# Altium PCB Dali.PcbDoc
Units mil, origin at the board's own origin, x right, y up, seen from the top; angles counter-clockwise.
Board outline 3104 x 1300 mil, 2 copper layers (Top Layer, Bottom Layer); 78 components, 75 nets, 288 pads, 90 vias.
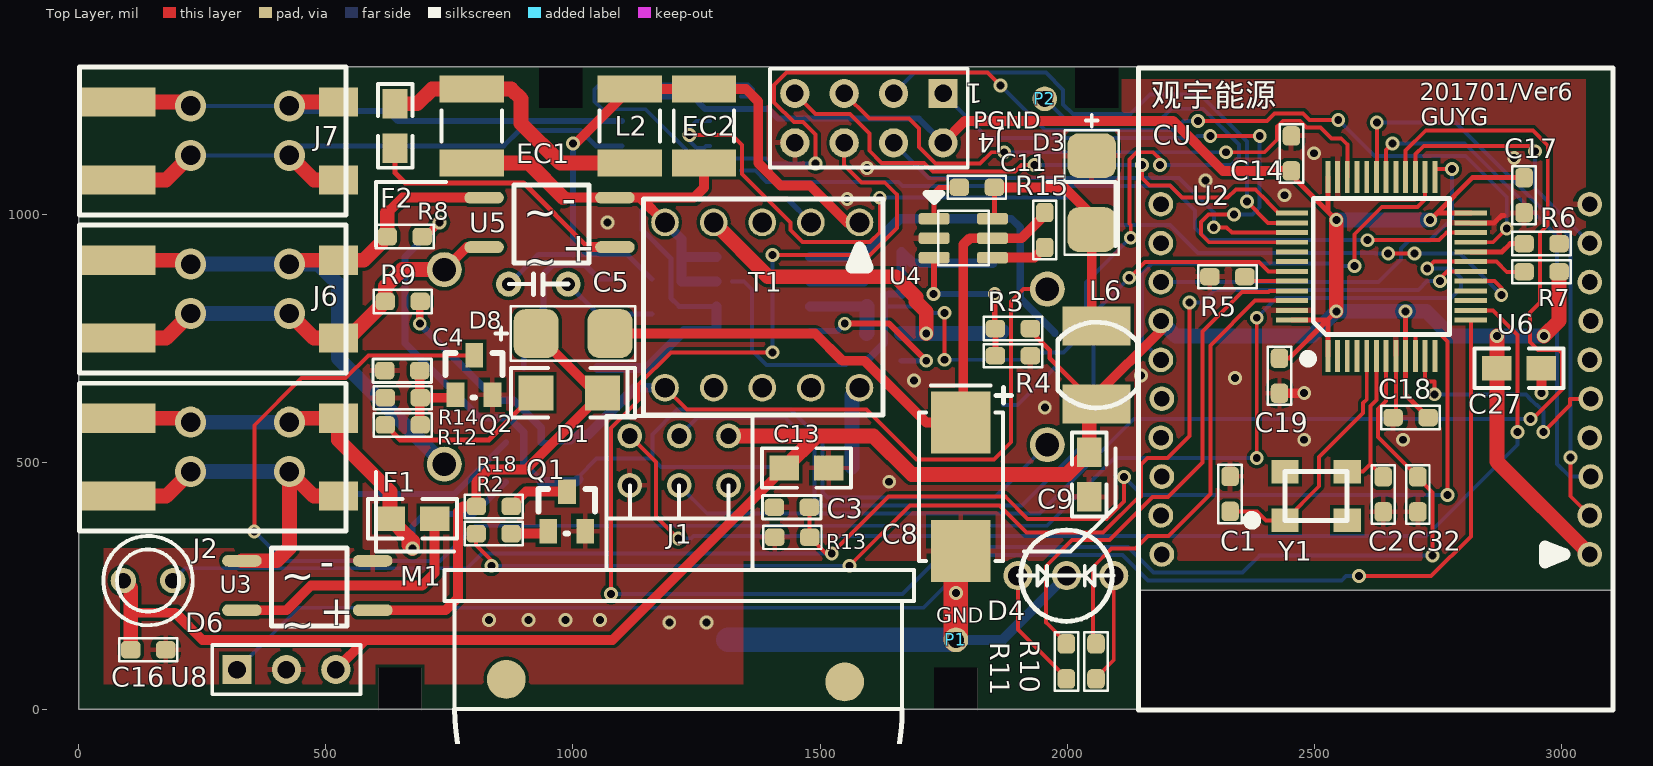
[diagram p0: Top Layer view]
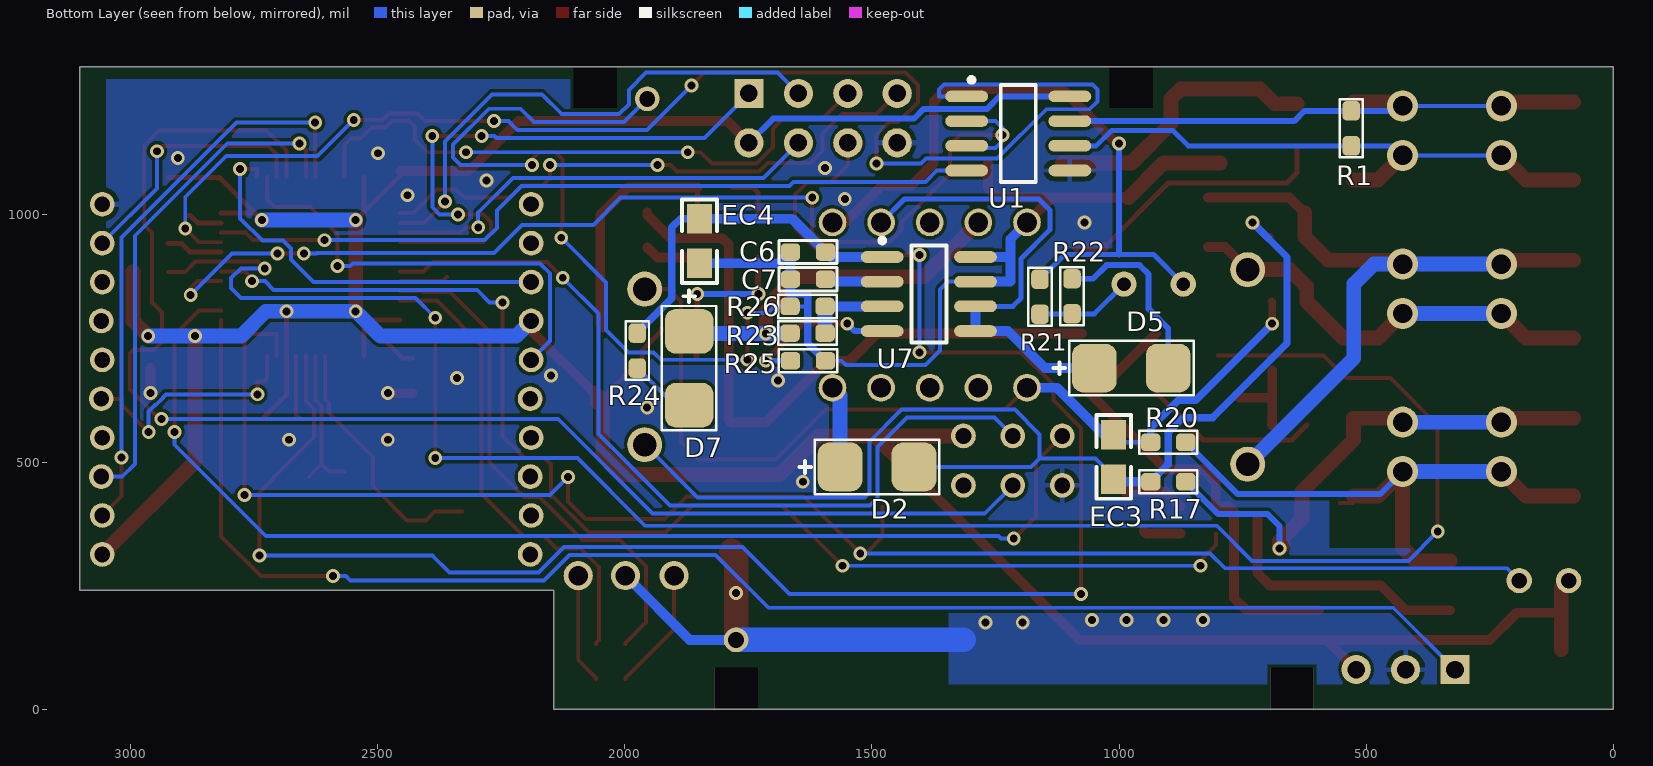
[diagram p1: Bottom Layer view, seen from below]

## Layer stack, top to bottom
Top Solder: solder mask 0.4, Solder Resist, Dk 3.5
Top Layer: signal copper 1.4
Dielectric 1: dielectric 12.6, FR-4, Dk 4.8
Bottom Layer: signal copper 1.4
Bottom Solder: solder mask 0.4, Solder Resist, Dk 3.5

## Board outline
0,0 0,1300 3104,1300 3104,240 2144,240 2144,0

## Design rules (kind name [scope] priority, off if disabled: settings)
BoardOutlineClearance [All] p1: gap=10 except(0: Arc-SplitContinuation Track-SplitContinuation SMDPad-OutlineEdge SMDPad-CutoutEdge SMDPad-CavityEdge SMDPad-SplitContinuation THPad-SplitContinuation Via-SplitContinuation Fill-SplitContinuation Poly-SplitContinuation Region-SplitContinuation Text-SplitContinuation)
Clearance [All vs InComponent('m1')] p1 off: gap=25
Clearance Clearance_1 [OnLayer('Keep-Out Layer') vs InComponent('J2','J6','J7')] p2: gap=0
Clearance Clearance_3 [All] p3: gap=7
Clearance Clearance_2 [InPolygon] p4: gap=12
ComponentClearance ComponentClearance_2 [All] p1: gap=5 collisioncheckmode=3 verticalgap=5 showdistances=FALSE
ComponentClearance ComponentClearance_1 [(InComponent('U8') AND InComponent('J5'))] p2: gap=0 collisioncheckmode=3 verticalgap=0 showdistances=FALSE
ComponentClearance [All vs InComponent('M1')] p3: gap=0 collisioncheckmode=3 verticalgap=0 showdistances=FALSE
Height [All] p1: minheight=0 maxheight=1574.8 prefheight=500
HoleSize [All] p1: absolutevalues=TRUE maxlimit=196.85 minlimit=15.75 maxpercent=80.000 minpercent=20.000
PlaneClearance PlaneClearance_1 [InComponent('m1')] p1: clearance=40
PlaneClearance [All] p2: clearance=20
PolygonConnect PolygonConnect_2 [All vs InNet('L')] p1: connectstyle=Relief reliefconductorwidth=10 reliefentries=4 polygonreliefangle="90 Angle" airgapwidth=150
PolygonConnect PolygonConnect_1 [IsVia vs IsPoly] p2: connectstyle=Direct reliefconductorwidth=10 reliefentries=4 polygonreliefangle="90 Angle" airgapwidth=10
PolygonConnect [All] p3: connectstyle=Relief reliefconductorwidth=10 reliefentries=4 polygonreliefangle="90 Angle" airgapwidth=10
RoutingVias [All] p1: holewidth=16 width=28 viastyle="Through Hole" minholewidth=16 minwidth=28 maxholewidth=24 maxwidth=50
SilkToBoardRegionClearance [All] p1 off:
SilkToSilkClearance [All] p1: silktosilkclearance=0.39
SilkToSolderMaskClearance [IsPad] p1 off: minsilkscreentomaskgap=0.39 clearancetoexposedcopper=TRUE
SolderMaskExpansion [All] p1: expansion=4
Width [All] p1: maxlimit=200 minlimit=6 preferedwidth=8 minimp=50.000000 maximp=50.000000 favimp=50.000000
23 further rules are at their usual default settings.

## Components (designator, comment, footprint, x,y, rotation, side; value= is the part's Value field where it differs from the comment)
C1 "22pF" 0603 2330,470.87 r270 top
C2 "22pF" 0603 2640,399.13 r90 top
C3 "10nF" 0603 1407.69,408.58 r0 top
C4 "10nF" 0603 690,685 r180 top
C5 "1nF/1kv" cb1 870,860 r0 top
C6 "0.1uF/35v" 0603 1594.13,925 r0 bottom
C7 "0.1uF/35v" 0603 1594.13,870 r0 bottom
C8 "100uF/25v" CAP-7343 1785,450 r270 top
C9 "22uF/10V" 0805 2045,520 r270 top
C11 "0.1uF" 0603 1852.87,1056 r180 top
C13 "22uF/10v" 0805 1428,487.88 r0 top
C14 "0.1uF" 0603 2454.13,1089.13 r90 top
C16 "0.1uF" 0603 105,120 r0 top
C17 "0.1uF" 0603 2925,1075.43 r270 top
C18 "0.1uF" 0603 2730.87,590 r180 top
C19 "0.1uF" 0603 2430,710 r270 top
C27 "22uF/10v" 0805 2870,690 r0 top
C32 "0.1uF" 0603 2710,399.13 r90 top
D1 "ZMM5V1" DIODE_1206 925,640 r0 top
D2 "SS24" DO-214AC 1564.61,490 r180 bottom
D3 "SS24" DO-214AC 2050,1120 r270 top
D4 "Red_Green_LED" LED_RG_3mm 1999,270 r0 top
D5 "1N4007" DO-214AC 1050,690 r180 bottom
D6 "HL304HP" LED_A2 140,260 r180 top locked
D7 "RS1M" DO-214AC 1870,764.61 r270 bottom
D8 "SS24" DO-214AC 925.39,760 r0 top
EC1 "1uF/400v" indc4532 795,1180 r270 top
EC2 "1uF/400v" indc4532 1265,1180.2 r270 top
EC3 "100uF 25v" 0805 1011,465 r90 bottom
EC4 "10uF/35V" 0805 1849.11,992.37 r270 bottom
F1 "MSMD0805-050" 0805 630,385 r0 top
F2 "MSMD0805-050" 0805 640,1135 r90 top
J1 "Header 3X2" HC-SR501-V1 1115,452.76 r0 top locked
J2 "WAGO" KF141R-2 230,620 r270 top locked
J4 "HEADER 4X2" HDR2X4 1749,1246 r180 top locked
J6 "WAGO" KF141R-2 230,940 r270 top locked
J7 "WAGO" KF141R-2 230,1260 r270 top locked
L2 "100mH" INDC4532 1115,1180 r90 top
L6 "47uH" cd43 2060,617.52 r270 top
M1 "BPE5-WS15- HS" "BPE5-WS- HS" 739.53,495.67 r0 top locked
P1 "GND" TP 1775,140 r0 top
P2 "PGND" TP 1955,1235 r0 top
Q1 "SS8050" SOT-23 950,360 r0 top
Q2 "SS8050" SOT-23 762,636 r0 top
R1 "120" 0603r 530,1210.87 r270 bottom
R2 "2.4K" 0603r 804.13,355 r0 top
R3 "14K,1%" 0603r 1925.87,770 r180 top
R4 "4.7K,1%" 0603r 1925.87,715 r180 top
R5 "10K" 0603r 2360,875 r180 top
R6 "10K" 0603r 2996,942 r180 top
R7 "2.4K" 0603r 2996,885 r180 top
R8 "0" 0603R 624.13,956.28 r0 top
R9 "0" 0603r 620,825 r0 top
R10 "240" 0603r 2058.62,131.87 r270 top
R11 "240" 0603r 1998.62,131.87 r270 top
R12 "10K" 0603r 620,575 r0 top
R13 "7.5K 1%" 0603R 1479.43,347.58 r180 top
R14 "2.4K" 0603r 620,630 r0 top
R15 "100K" 0603r 1955,1005 r270 top
R17 "100" 0603r 935.87,460 r180 bottom
R18 "15" 0603r 804.13,410 r0 top
R20 "100" 0603r 935.87,540 r180 bottom
R21 "220k" 0603r 1160,799.13 r90 bottom
R22 "150" 0603r 1095,870.87 r270 bottom
R23 "20k" 0603r 1665.87,760.87 r180 bottom
R24 "6.8" 0603r 1975,690 r90 bottom
R25 "1.5" 0603r 1665,705 r180 bottom
R26 "2.4k" 0603r 1595,815 r0 bottom
T1 "EE13-5+5" EE13-5+2 1580,985 r270 top locked
U1 "MAX3485CSA" NSO8_N 1203.98,1165 r180 bottom
U2 "ZigbeeModule1" ZIGBEE_XIAMENSIXIN 3058,313 r180 top locked
U3 "MB4S" SO-04-1 330,300 r0 top
U4 "MP2359" TSOT23-6 1731,992.37 r270 top
U5 "MB4S" SO-04-1 820.24,1035 r0 top
U6 "STM32F103C8" LQFP48S 2528.13,714.06 r90 top locked
U7 "PN8355" SOIC8_N 1385,840 r180 bottom
U8 "VS1838" HDR1X3 320,80 r0 top locked
Y1 "25M" 3225 2441.02,382 r0 top

## Footprints (in the part's own frame and the unit in brackets; to place one, negate y for a bottom-side part, rotate by r counter-clockwise, add the part's x,y. Pads: shape width x height; smd on the part's side, far side on the other; paste and mask are expansions set on the pad)
0603 [mm]
  rrect50% 1x0.9 smd: 1(0,0) 2(1.8,0)
  silkscreen extent -0.6,-0.6 2.4,0.6
0603r [mm]
  rrect50% 1x0.9 smd: 1(0,0) 2(1.8,0)
  silkscreen extent -0.6,-0.6 2.4,0.6
0603R [mm]
  rrect50% 1x0.9 smd: 1(0,0) 2(1.8,0)
  silkscreen extent -0.6,-0.6 2.4,0.6
0805 [mil]
  rect 60x50 smd: 1(0,0) 2(90,0)
  silkscreen extent -39,-35 130,35
3225 [mm] "Crystal"
  rect 1.4x1.2 smd: 1(0,0) 2(3.2,0) 3(3.2,2.5) 4(0,2.5)
  silkscreen extent -1.92,-0.22 3.2,2.5
"BPE5-WS- HS" [mm] "归上海博湃电子科技有限公司,BPE AC-DC模块"
  round 1.8 hole 1.2: 1(0,0) 2(0,10) 3(31,9) 4(31,1)
  silkscreen extent -3.5,-4.5 34.5,14.5
CAP-7343 [mm] "钽电容"
  rect 3.2x3.05 smd: 1(-3.302,0) 2(3.302,0)
  silkscreen extent -5.21,-2.16 3.81,2.6, body extent -3.68,-1.91 3.68,1.91, height 2.95
cb1 [mm]
  round 1.3 hole 0.7: 1(0,0) 2(3.048,0)
  silkscreen extent 0,-0.55 3.05,0.52
cd43 [mm] "L-SMA"
  rect 2x3.5 smd: 1(0,0) 2(-4,0)
  silkscreen extent -4.2,-2 0.2,2.1
DIODE_1206 [mm]
  rect 1.8x1.8 smd: 1(0,0) 2(3.429,0)
  silkscreen extent -1.27,-1.27 5.1,1.27
DO-214AC [mm] "DIODE"
  rrect50% 2.3x2.5 smd: 1(0,0) 2(3.8,0)
  silkscreen extent -2.1,-1.4 5.1,1.4
EE13-5+2 [mil] "EE13 transformer"
  round 56 hole 40: 1(0,0) 2(0,-98.43) 3(0,-196.85) 4(0,-295.28) 5(0,-393.7) 6(334.65,-393.7) 7(334.65,-295.28) 8(334.65,-196.85) 9(334.65,-98.43) 10(334.65,0)
  silkscreen extent -47,-437 390,47
HC-SR501-V1 [mil] "PIR module"
  round 50 hole 32: 1(0,0) 2(0,100) 3(100,0) 4(100,100) 5(200,0) 6(200,100)
  silkscreen extent -375,-906 575,140
HDR1X3 [mm] "Connector; Header; 3 Position"
  rect 1.5x1.5 hole 0.9: 1(0,0)
  round 1.5 hole 0.9: 2(2.54,0) 3(5.08,0)
  silkscreen extent -1.27,-1.27 6.35,1.27
HDR2X4 [mm] "Connector; Header; 4x2 Position"
  rect 1.5x1.5 hole 0.9: 1(0,0)
  round 1.5 hole 0.9: 2(0,2.54) 3(2.54,0) 4(2.54,2.54) 5(5.08,0) 6(5.08,2.54) 7(7.62,0) 8(7.62,2.54)
  silkscreen extent -1.27,-1.27 8.89,3.81
indc4532 [mm] "Chip Inductor, Body 4.5x3.2mm, IPC High Density"
  rect 1.4x3.3 smd: 1(-1.9,0) 2(1.9,0)
  silkscreen extent -0.8,-1.55 0.8,1.55, body extent -2.4,-1.7 2.4,1.7, height 0.55
INDC4532 [mm] "Chip Inductor, Body 4.5x3.2mm, IPC High Density"
  rect 1.4x3.3 smd: 1(-1.9,0) 2(1.9,0)
  silkscreen extent -0.8,-1.55 0.8,1.55, body extent -2.4,-1.7 2.4,1.7, height 0.55
KF141R-2 [mm] "免螺丝弹簧式接线端子间距2.54mm, 兼容Wago表面贴弹簧端子"
  rect 1.5x3.8 smd: 1(0.8,-3.8) 3(4.8,-3.8)
  round 1.6 hole 1: 1(1,-0.1) 2(1,4.98) 3(3.54,-0.1) 4(3.54,4.98)
  rect 1.5x2 smd: 2(0.8,7.5) 4(4.8,7.5)
  silkscreen extent -1,-5.8 6.6,7.9
LED_A2 [mm] "直径3MM二极管"
  round 1.3 hole 0.8: 1(1.27,0) 2(-1.27,0)
  silkscreen extent -2.3,-2.3 2.3,2.3
LED_RG_3mm [mm]
  round 1.5 hole 1: 1(0,0) 2(2.427,-0.002) 3(-2.5,0)
  silkscreen extent -2.49,-2.35 2.43,2.35
LQFP48S [mil]
  rect 65x10 smd: 1(0.42,0.29) 2(0.42,-19.39) 3(0.42,-39.08) 4(0.42,-58.76) 5(0.42,-78.45) 6(0.42,-98.13) 7(0.42,-117.82) 8(0.42,-137.5) 9(0.42,-157.19) 10(0.42,-176.87) 11(0.42,-196.56) 12(0.42,-216.24) 25(362.63,-216.24) 26(362.63,-196.56) 27(362.63,-176.87) 28(362.63,-157.19) 29(362.63,-137.5) 30(362.63,-117.82) 31(362.63,-98.13) 32(362.63,-78.45) 33(362.63,-58.76) 34(362.63,-39.08) 35(362.63,-19.39) 36(362.63,0.29)
  rect 10x65 smd: 13(73.26,-289.08) 14(92.94,-289.08) 15(112.63,-289.08) 16(132.31,-289.08) 17(152,-289.08) 18(171.68,-289.08) 19(191.37,-289.08) 20(211.05,-289.08) 21(230.74,-289.08) 22(250.42,-289.08) 23(270.11,-289.08) 24(289.79,-289.08) 37(289.79,73.13) 38(270.11,73.13) 39(250.42,73.13) 40(230.74,73.13) 41(211.05,73.13) 42(191.37,73.13) 43(171.68,73.13) 44(152,73.13) 45(132.31,73.13) 46(112.63,73.13) 47(92.94,73.13) 48(73.26,73.13)
  silkscreen extent -10,-246 319,46
NSO8_N [mm] "SOIC-max660"
  oval 2.2x0.6 smd: 1(-2.654,1.905) 2(-2.654,0.635) 3(-2.654,-0.635) 4(-2.654,-1.905) 5(2.654,-1.905) 6(2.654,-0.635) 7(2.654,0.635) 8(2.654,1.905)
  silkscreen extent -2.53,-2.5 0.9,2.88, body extent -1.95,-2.45 1.95,2.45, height 1.75
SO-04-1 [mil]
  oval 80x24 smd: 1(0,0) 2(0,-100) 3(264.76,-100) 4(264.76,0)
  silkscreen extent 60,-132 213,26
SOIC8_N [mm] "8-Pin Small Outline Integrated Circuit Package (SOIC8), IPC Medium Density"
  oval 2.2x0.6 smd: 1(-2.4,1.905) 2(-2.4,0.635) 3(-2.4,-0.635) 4(-2.4,-1.905) 5(2.4,-1.905) 6(2.4,-0.635) 7(2.4,0.635) 8(2.4,1.905)
  silkscreen extent -2.53,-2.5 0.9,2.88, body extent -1.95,-2.45 1.95,2.45, height 1.75
SOT-23 [mil]
  rect 36x50 smd: 1(0,0) 2(75,0) 3(38,80)
  silkscreen extent -20,-5 95,85
TP [mil] "Test point"
  round 50 hole 32: 1(0,0)
TSOT23-6 [mm]
  rrect50% 0.6x1.6 smd: 1(0,0) 2(1,0) 3(2,0) 4(2,3) 5(1,3) 6(0,3)
  silkscreen extent -1.3,-0.4 2.4,2.8
ZIGBEE_XIAMENSIXIN [mm] "2*8pin SIP, 1*6pin SIP"
  round 1.27 hole 0.813: 1(0,0) 2(0,-2) 3(-0.05,-4) 4(0,-6) 5(-0.05,-8) 6(0,-10) 7(-0.05,-12) 8(0,-14) 9(0,-16) 10(0,-18) 11(22.05,-18) 12(22.05,-16) 13(22.05,-14) 14(22.05,-12) 15(22.05,-10) 16(22,-8) 17(22.05,-6) 18(22,-4) 19(22.05,-2) 20(22,0)
  silkscreen extent -1.2,-25 23.2,8

## Part data
C1 C2 C3 C4 C5 C6 C7 C11 C14 C16 C17 C18 C19 C32: library part Cap, "Capacitor"
C8 C9 C13 C27 EC1 EC2 EC3 EC4: library part ECAP
D1: library part "DIODE SCHOTTKY", "Schottky Diode"
D2 D3 D8: library part SchottkyDiode, "Schottky Diode"
D4: library part LED_RG
D5 D7: library part "Diode 1N4007", "1 Amp General Purpose Rectifier"
D6: library part LED0, "3MM光敏传感器"
F1 F2: library part FUSE
J1: "Header, 3-Pin, Dual row"
J2: library part "Header 2X2", "Header, 2-Pin, Dual row"
J6 J7: library part "Header 2X2", "2060-452/998-404"
L2: library part Inductor, "Inductor"
L6: library part L, "叠层电感"
M1: "220v AC - 15DC module"
P1 P2: library part CON1, "Connector"
Q1 Q2: library part NPN, "NPN Transistor"
R1 R2 R3 R4 R5 R6 R7 R8 R9 R10 R11 R12 R13 R14 R15 R17 R18 R20 R21 R22 R23 R24 R25 R26: library part Res2, "Resistor"
T1: library part EE10-TRANS
U1: library part SP3485, "485总线芯片"
U2: library part Zigbee_XiaMenSiXin, "Zigbee module - xiamen SiXin"
U4: "Power Convertor"
U6: library part STM32F103C6
U8: library part "Header 3", "Header, 3-Pin"
Y1: library part XTAL_4pin, "Crystal Oscillator"

## Free pads (board coordinates)
  rect 86.61x86.61 hole 86.61 square unplated: 3(650,40) 3(975,1260) 3(1775,40) 3(2060,1260)
  round 78.74 smd: 4(865,60) 6(1550,55)

## Via types
v1: diameter 28, hole 16, Top Layer to Bottom Layer, 90 vias

## Nets (pads, with @x,y where several pads share a name; then routed paths per layer and width w, separated by ;. In a path a pad name is that pad's centre, name@x,y a point inside that pad or via, vN(x,y) a via of type N, cw(c..) or ccw(c..) an arc to the next point about the centre after c; other vN are vias at no path point)
ASSOCIATE: U2.15 U6.26 | length 912.3
  Top Layer w8: v1(2582,897) 2582,961 2637,1016 2709,1016 2724.68,1031.68 U6.26
  Bottom Layer w8: U2.15 2152,744.59 2152,882 2172,902 2551,902 2556,897 v1(2582,897)
BOOT0: R5.1 U6.44 | length 98.7
  Top Layer w8: R5.1 2368.94,866.05 U6.44
BOOT1: R6.2 U6.20 | length 114.9
  Top Layer w10: U6.20 2880.11,925.11 2897,942 R6.2
D485_RX: U1.1 U6.21 | length 2867.7
  Top Layer w8: v1(1491,1104) 1491,1163 1466,1188 1447,1188 1407,1228 1407,1263 1432,1288 1839,1288 v1(1865,1262) ; v1(2265,1190) 2404.31,1190 2420,1205.69 2477.43,1205.69 2491.12,1192 v1(2549,1192) ; U6.21 2862,944.8 v1(2890,972.8)
  Bottom Layer w8: U1.1@1339.96,1240 1364,1240 1364,1254 1354,1264 1054,1264 1044,1254 1044,1230 1060,1214 1147,1214 1247,1114 1391,1114 1401,1104 v1(1491,1104) ; v1(1865,1262) 1955,1172 2218,1172 2236,1190 v1(2265,1190) ; v1(2549,1192) 2622,1119 2807,1119 2890,1036 v1(2890,972.8)
D485_TX: U1.4 U6.22 | length 1562.6
  Top Layer w8: v1(2608,949) 2753,949 2768.48,964.48 U6.22
  Bottom Layer w8: U1.4@1339.96,1090 1369,1090 1392,1067 1659,1067 1667,1059 2209,1059 2259,1009 2259,974 2284,949 v1(2608,949)
D485_TXEN: U1.2 U1.3 U6.17 | length 2139
  Top Layer w8: v1(1236,1162) 1322,1162 1342,1142 1342,1083 1440,985 1440,970 1465,945 1601,945 1621,965 v1(1621,1035) ; v1(2650,922) v1(2703,922) ; U6.17 2865,866.06 2879,852.06 v1(2879,838)
  Bottom Layer w8: U1.3@1276.97,1140 1269.16,1140 1265.16,1136 1250,1136 1236,1150 v1(1236,1162) 1236,1176 1250,1190 U1.2@1276.97,1190 ; v1(1621,1035) 2009,1035 2064,980 2208,980 2265,923 2623,923 2624,922 v1(2650,922) ; v1(2703,922) 2795,922 v1(2879,838)
DACOUT1: J1.2 U6.14 | length 2363.6
  Top Layer w8: J1.2 1168,499.76 1168,390 v1(1213,345) ; U6.14 2862,807 2912,757 v1(2912,561)
  Bottom Layer w8: v1(1213,345) 1239,345 1244,350 2727,350 2912,535 v1(2912,561)
DALI+: F1.1 J2.1 J2.2 R17.2 | length 1074.1
  Top Layer w30: J2.1@80.39,588.5 218.19,588.5 J2.1@226.06,580.63 ; J2.2@426.06,580.63 433.94,588.5 525.28,588.5 525.28,544.72 630,440 F1.1 668,347 ; 668,347 668,332 v1(675,325) 675,340 668,347
  Bottom Layer w12: v1(675,325) 675,370 700,395 800,395 R17.2
  Bottom Layer w30: J2.1@226.06,580.63 J2.2@426.06,580.63
DALI-: J2.3 J2.4 R20.2 U3.1 | length 1289.5
  Top Layer w8: J2.4@525.28,431.02 527,429.3 527,417 J2.4@553,417
  Top Layer w30: J2.3@80.39,431.02 176.46,431.02 J2.3@226.06,480.63 ; U3.1 400,300 426.06,326.06 426.06,480.63 475.67,431.02 J2.4@525.28,431.02
  Bottom Layer w12: J2.4@426.06,480.63 471.69,435 760,435 R20.2
  Bottom Layer w30: J2.3@226.06,480.63 J2.4@426.06,480.63
DALI_R: Q2.3 R7.2 U6.19 | length 3886.6
  Top Layer w8: v1(355,359.47) 355,574.37 450.63,670 540,670 586,716 Q2.3 ; v1(2384,508) v1(2384,792) ; v1(2729,892) 2742.43,905.43 U6.19 ; U6.19 2869.57,905.43 2890,885 R7.2
  Bottom Layer w8: v1(355,359.47) 414.47,300 731,300 802,371 1959,371 2096,508 v1(2384,508) ; v1(2384,792) 2424,832 2777,832 2797,852 2797,872 2777,892 v1(2729,892)
DALI_T: R2.1 U6.18 | length 2551.9
  Top Layer w8: R2.1 804.13,331.87 835,301 v1(835,290) ; v1(1560,290) 1682,412 1863,412 1918,357 2073.21,357 2146.21,430 2150,430 2150,495 2163,508 2203,508 2248,553 v1(2248,823) ; v1(2755,866) 2755,871.74 2769,885.74 U6.18
  Bottom Layer w8: v1(835,290) v1(1560,290) ; v1(2248,823) 2274,823 2299,848 2711,848 2729,866 v1(2755,866)
GND: C1.1 C2.1 C3.1 C4.2 C8.2 C9.2 C13.2 C14.2 C16.2 C17.2 C18.2 C19.2 C27.2 C32.1 D3.1 D4.1 J1.1 J4.8 P1.1 Q1.2 Q2.2 R4.1 R5.2 R6.1 R13.2 R14.1 U1.5 U2.10 U3.4 U4.2 U6.8 U6.23 U6.35 U6.47 U8.2 | length 1222.4
  Top Layer w8: C18.2 2665.63,595.63 U6.8
  Top Layer w10: U6.23 2864.6,984.17 2879.23,998.8 2884.4,998.8
  Top Layer w20: C19.2 2479.13,639.13 v1(2480,640) ; v1(2960,640) C27.2
  Top Layer w50: P1.1 v1(1775,235) 1775,310 C8.2
  Bottom Layer w20: P1.1 1869,140 D4.1
  Bottom Layer w50: 1315,140 P1.1
  other v1: 1195,175 1270,175 830,180 910,180 985,180 1055,180 1640,460 2480,545 2680,545 1955,610 1690,665 2340,670 2150,675 1070,985 1555,1032.24 2440,1040 2280,1070 1595,1095 2905,1115 2500,1125
IRDA_RX: U6.13 U8.1 | length 3089.9
  Top Layer w8: v1(2591,269) 2737,269 2817.2,349.2 U6.13
  Bottom Layer w8: U8.1 445,205 1709.64,205 1816.64,312 2112,312 2164,260 2556,260 2565,269 v1(2591,269)
JNTRST: J4.1 U6.40 | length 1171.1
  Top Layer w8: v1(2290,1160) v1(2390,1160) ; v1(2338,1001) 2286,1001 2271,986 2271,961 2287.2,944.8 U6.40
  Bottom Layer w8: J4.1 1839,1156 2260,1156 2264,1160 v1(2290,1160) ; v1(2338,1001) 2375,1001 2390,1016 v1(2390,1160)
JTCK: J4.7 U6.37 | length 1167.6
  Top Layer w8: J4.7 1491,1204 1561,1204 1600,1165 1600,1130 1624.53,1105.47 1711,1105.47 1728.47,1088 1895,1088 1908,1101 v1(1934,1101) ; v1(2152,1101) 2152,1075 2167,1060 2208,1060 2233,1035 2325,1035 2342,1052 2381,1052 2406,1027 2406,1025.85 2428,1003.85 U6.37
  Bottom Layer w8: v1(1934,1101) v1(2152,1101)
JTDI: J4.3 U6.38 | length 1070.8
  Top Layer w8: v1(2364,1027) 2406.83,984.17 U6.38
  Bottom Layer w8: J4.3 1691,1288 1957,1288 1992,1253 1992,1224 2012,1204 2128,1204 2168,1244 2269,1244 2364,1149 v1(2364,1027)
JTDO: J4.4 U6.39 | length 898.8
  Top Layer w8: v1(2297,975) 2323,975 2333.52,964.48 U6.39
  Bottom Layer w8: J4.4 1720,1075 2227,1075 2297,1005 v1(2297,975)
JTMS: J4.5 U6.34 | length 1236.3
  Top Layer w8: J4.5 1600,1195 1680,1195 1700,1175 1700,1137.69 1733.69,1104 1824,1104 1847,1127 v1(1873,1127) ; v1(2322,1127) 2400,1127 2425.42,1152.42 2425.42,1179.05 2437.05,1190.69 2471.22,1190.69 2484.9,1177 2513,1177 2535,1155 2555,1155 2567.2,1142.8 U6.34
  Bottom Layer w8: v1(1873,1127) v1(2322,1127)
L: J6.1 J6.2 M1.1 R8.1 U5.1 | length 1395.8
  Top Layer w20: 624.13,1004.13 655,1035 U5.1
  Top Layer w30: J6.1@80.39,908.5 218.19,908.5 J6.1@226.06,900.63 ; J6.2@426.06,900.63 433.94,908.5 576.35,908.5 R8.1 624.13,1004.13
  Bottom Layer w30: J6.1@226.06,900.63 484.37,900.63 525,860 525,710.2 M1.1
LED_G: R11.1 U6.45 | length 1058.5
  Top Layer w8: R11.1 1998.62,134 1957,175.62 1957,289 2010,342 2086,342 2173,429 2204,429 2274,499 2274,764 2354,844 2407.63,844 2410,846.37 U6.45
LED_R: R10.1 U6.46 | length 959.9
  Top Layer w8: R10.1 2058.62,134 2053,139.62 2053,288 2090,325 2139,325 2164,350 2205,350 2290,435 2290,736 2380.69,826.68 U6.46
LIGHT_AOUT: C3.2 D6.2 R13.1 U6.10 | length 3283.2
  Top Layer w8: C3.2 1478.56,348.86 v1@1512.42,315 ; v1(1523.71,315) 1638.71,430 1875,430 1920,385 2080,385 2115,420 v1(2115,470) ; U6.10 2705,759 2755,759 2770,744 v1(2770,433)
  Bottom Layer w8: D6.2 215,285 785.65,285 815.65,315 v1(1523.71,315) ; v1(2115,470) 2152,433 v1(2770,433)
N: J6.3 J6.4 M1.2 R9.1 U5.2 | length 874.7
  Top Layer w20: M1.2 785.16,935 U5.2
  Top Layer w30: J6.3@80.39,751.02 176.46,751.02 J6.3@226.06,800.63 ; J6.4@426.06,800.63 475.67,751.02 546.02,751.02 R9.1 620,855 654.37,889.37 M1.2
  Bottom Layer w30: J6.3@226.06,800.63 J6.4@426.06,800.63
NetC1_2: C1.2 U6.5 Y1.1 | length 519.5
  Top Layer w8: C1.2 2385,400 2403,382 Y1.1 2510,450.98 2510,510 2599.31,599.32 2599.31,619.51 2606.57,626.77 U6.5
NetC2_2: C2.2 U6.6 Y1.3 | length 313.7
  Top Layer w8: Y1.3 2599.06,480.43 2614.31,495.68 ; U6.6 2626.26,625.24 2614.31,613.3 2614.31,495.68 ; C2.2 2614.31,495.68
NetC4_1: C4.1 Q2.1 R12.2 R14.2 | length 184
  Top Layer w20: C4.1 690,575.87 R12.2 ; R14.2 756,630 Q2.1
NetC5_1: C5.1 EC2.1 L2.2 R21.2 T1.1 | length 1371.2
  Top Layer w20: v1(1000,1145) 1005.2,1145 L2.2 1264.8,1254.8 EC2.1 1350,1255 1375,1230 1375,1105 1420,1060 1480,1060 1555,985 T1.1
  Bottom Layer w10: C5.1 930,920 1000,920 1110,920 R21.2
  Bottom Layer w12: 1000,920 v1(1000,1145)
NetC5_2: C5.2 R21.1 R22.2 | length 195.2
  Bottom Layer w10: C5.2 1050,800 R22.2 1159.13,800 R21.1
NetC6_1: C6.1 EC4.1 R24.2 U7.1 | length 707.9
  Bottom Layer w15: EC4.1 1887.63,992.37 1905,975 1905,831.34 1975,761.34 R24.2
  Bottom Layer w20: U7.1 1584.13,915 1661.5,992.37 EC4.1
NetC7_1: C7.1 U7.2 | length 116.7
  Bottom Layer w20: U7.2 1589.13,865 C7.1
NetC11_1: C11.1 D3.2 L6.2 U4.6 | length 515.1
  Top Layer w10: U4.6 1852.87,996.13 C11.1
  Top Layer w20: C11.1 1994,1056 2050,1000 2050,777.48 L6.2@2045,772.48
NetC11_2: C11.2 U4.1 | length 108.8
  Top Layer w10: U4.1 1731,1046 1741,1056 C11.2
NetD1_1: D1.1 R12.1 | length 356.8
  Top Layer w10: R12.1 650,545 830,545 D1.1
NetD1_2: D1.2 D8.1 R18.1 U3.3 | length 963.1
  Top Layer w20: U3.3 741.97,200 767,225.03 767,400 777,410 R18.1 804.13,459.13 830,485 905,485 D1.2 1045.39,640 D8.1
NetD2_1: D2.1 T1.10 | length 166.7
  Bottom Layer w30: D2.1 1564.61,634.96 T1.10
NetD4_2: D4.2 R10.2 | length 223.8
  Top Layer w8: R10.2 2058.62,63 2094.56,98.94 D4.2
NetD4_3: D4.3 R11.2 | length 249.6
  Top Layer w8: D4.3 1900.57,161.05 1998.62,63 R11.2
NetD5_1: D5.1 T1.2 U7.5 U7.6 | length 993.5
  Bottom Layer w10: U7.6 1215,815 1198,832 1198,912 1140,970 1140,1010 1162.24,1032.24 1434.33,1032.24 T1.2
  Bottom Layer w20: D5.1 1150,690 1225,765 U7.5 U7.6
NetD5_2: D5.2 R22.1 | length 380.6
  Bottom Layer w12: D5.2 900.39,770.39 940,810 940,880 958.59,898.59 1025,898.59 1052.72,870.87 R22.1
NetD7_1: D7.1 R23.1 T1.4 | length 761.5
  Top Layer w30: T1.4 1394.72,875 1653.11,875 1694,834.11 1694,825.09 1715,804.09 v1(1715,760)
  Bottom Layer w30: R23.1@1665,760 v1(1715,760) 1865.39,760 D7.1
NetD7_2: D7.2 R24.1 | length 136.1
  Bottom Layer w8: D7.2 1900,615 R24.1
NetEC1_1: EC1.1 F2.2 L2.1 | length 578.6
  Top Layer w30: F2.2 685,1225 714.8,1254.8 875.2,1254.8 895,1235 895,1185 974.8,1105.2 L2.1
NetF1_2: F1.2 U3.2 | length 531.1
  Top Layer w20: U3.2 420,200 470,250 695,250 720,275 F1.2
NetF2_1: F2.1 U5.3 | length 557.1
  Top Layer w10: F2.1 640,1085 660,1065 900,1065 1030,935
  Top Layer w20: 1030,935 U5.3
NetQ1_1: Q1.1 R2.2 | length 77.1
  Top Layer w20: R2.2 945,355 Q1.1
NetQ1_3: Q1.3 R18.2 | length 125.4
  Top Layer w20: R18.2 905,440 Q1.3
NetR3_2: R3.2 R4.2 U4.3 | length 325.9
  Top Layer w12: v1(1730,840) 1731,841 U4.3 ; v1(1853.66,840) 1853.66,777.72 1858.19,773.19 R3.2 R4.2
  Bottom Layer w12: v1(1730,840) v1(1853.66,840)
NetR15_2: R15.2 U4.4 | length 114.4
  Top Layer w20: U4.4 1934.5,913.63 R15.2
NetR23_2: R23.2 R26.1 U7.3 | length 170.9
  Bottom Layer w20: U7.3 R26.1
  Bottom Layer w30: R23.2@1594.13,760 R23.2 R26.1
NetR25_1: R25.1 U7.4 | length 322.8
  Top Layer w12: v1(1550,780) 1640,780 v1(1715,705)
  Bottom Layer w12: U7.4 1535,765 v1(1550,780) ; R25.1 v1(1715,705)
NRST: C32.2 J4.6 U6.7 | length 3655.4
  Top Layer w8: v1(1077,233) 1077,569 1133,625 1133,657 1198,722 v1(1404,722) ; v1(1404,919) 1601,919 1656,974 1656,1041 1631,1066 1584,1066 1549,1101 J4.6 ; U6.7 2645.94,623.71 2629.31,607.08 2629.31,550.68 C32.2 2710,468 2740,438 v1(2740,311)
  Bottom Layer w8: v1(1077,233) 1667,233 1762,328 2123,328 2175,276 2355,276 2390,311 v1(2740,311) ; v1(1404,722) v1(1404,919)
OEN: J1.4 U6.43 | length 1744.6
  Top Layer w8: v1(2126,873) 2158,905 2388.74,905 2408,885.74 U6.43
  Bottom Layer w8: J1.4 1252.24,590 1429,590 1489,530 1489,427 1504,412 1909,412 2054,557 2054,801 v1(2126,873)
PGND: C6.2 C7.2 EC1.2 EC2.2 EC4.2 P2.1 R25.2 R26.2 T1.5 U5.4 U7.7 U7.8 | length 3436.8
  Top Layer w8: v1(1752,707) v1(1752,802) ; v1(2129,954) 2129,980 2126,983 2126,1112 2141,1127 2174,1127 2188,1113 v1(2188,1101)
  Top Layer w20: 980.59,1035 U5.4 1136.3,1035 ; T1.5 1136.3,1035 ; EC2.2 1265,1055 1245,1035 1136.3,1035
  Top Layer w30: EC1.2 910.39,1105.2 980.59,1035
  Bottom Layer w8: U7.7@1322.01,865 1346,865 1362,849 1362,726 1392,696 1553,696 1562,705 R25.2 ; 1630,815 R26.2 1698,815 1711,802 v1(1752,802) ; 1630,840 1640,840 ; v1(1752,707) 1927,707 1942,722 1993,722 2038,767 2038,863 v1(2129,954) ; P2.1 2002,1188 2184,1188 2211,1215 2275.36,1215 2348,1142.35 2348,1116 2333,1101 v1(2188,1101)
  Bottom Layer w15: R25.2 1595,705 1630,740 1630,815 1630,840 ; 1640,840 1665,840
  Bottom Layer w20: T1.5 1220,951.3 1220,920 ; U7.7 1220,865 1220,920 ; U7.8 1225,915 1220,920 ; 1665,840 C6.2 1687.63,902.37 EC4.2
PIR_OUT: J1.3 U6.28 | length 2846.3
  Top Layer w8: U6.28 2685.31,1130.31 2726,1171 2943,1171 2973,1141 2973,980 2957,964 2957,823 2937,803 2937,743 2953,727 2996,727 3002,721 3002,646.65 2942.36,587 v1(2938,587)
  Bottom Layer w8: J1.3 1271.76,396 1944,396 2135,587 v1(2938,587)
RS485+: J7.1 J7.2 R1.1 U1.7 | length 1123
  Top Layer w30: J7.1@80.39,1228.5 218.19,1228.5 J7.1@226.06,1220.63 ; J7.2@426.53,1221.1 433.94,1228.5 J7.2@525.28,1228.5
  Bottom Layer w8: J7.1@226.06,1220.63 J7.2@426.06,1220.63
  Bottom Layer w12: J7.2@435.83,1210.87 624.61,1210.87 645.48,1190 U1.7
RS485-: J7.3 J7.4 R1.2 U1.6 | length 1191.8
  Top Layer w30: J7.3@80.39,1071.02 176.46,1071.02 J7.3@226.06,1120.63 ; J7.4@426.53,1120.16 475.67,1071.02 J7.4@525.28,1071.02
  Bottom Layer w8: J7.3@226.06,1120.63 J7.4@426.06,1120.63
  Bottom Layer w10: J7.4@426.53,1121.1 445.43,1140 R1.2 860,1140 891,1171 1015.1,1171 1046.1,1140 U1.6
SLEEP_ON: U2.13 U6.25 | length 806.3
  Top Layer w8: U6.25 2744.37,1093 v1(2779,1093)
  Bottom Layer w8: U2.13 2630.18,864.18 2676,910 2676,932 2692,948 2734,948 2779,993 v1(2779,1093)
SLEEP_RQ: U2.9 U6.27 | length 532
  Top Layer w8: U6.27 2705,1123 2722,1140 2936,1140 v1(2947,1129)
  Bottom Layer w8: v1(2947,1129) 2947,1053.92 U2.9
SWCLK: U2.18
SWD: U2.17
USBDM: U6.32
USBDP: U6.33
V3.3: C9.1 C13.1 C14.1 C16.1 C17.1 C18.1 C19.1 C27.1 D6.1 J1.6 J4.2 L6.1 R3.1 R7.1 U1.8 U2.1 U2.14 U6.1 U6.9 U6.24 U6.36 U6.48 U8.3 | length 7479.8
  Top Layer w10: R3.1 1925.87,765.48 1965,726.34 1965,710 L6.1@2045,630 ; C19.1 2450,710 2527.31,787.32 ; C14.1 2454.13,1080.87 2527.83,1007.16 ; U6.48 2527.31,787.32 ; U6.1 2527.83,787.84 ; U6.36 2527.83,1007.16 ; v1(2545,805) 2527.83,787.84 ; v1(2545,990) 2527.83,1007.16 ; v1(2685,805) 2685.31,804.68 2685.31,635.55 C18.1 ; v1(2735,990) 2748.85,1003.85 ; U6.24@2817.2,1003.85 2748.85,1003.85 ; C17.1 2820.43,1075.43 2748.85,1003.85 ; 2527.31,787.32 2527.83,787.84
  Top Layer w20: 105,195 195,195 250,140 580,140 ; U8.3 580,140 ; C13.1 1080.12,140 580,140 ; J4.2 1793,1190 2215,1190 2315.87,1089.13 C14.1 ; L6.1@2045,630 2060,645 L6.1@2060,636.59 ; L6.1 L6.1@2060,636.59 ; U2.14@2189.89,766.48 L6.1@2060,636.59
  Top Layer w30: D6.1 105,245 105,195 C16.1 ; J1.6 1492.88,552.76 ; C13.1 1492.88,552.76 ; L6.1@2045,630 C9.1 2000,475 1685.91,475 1608.15,552.76 1492.88,552.76 ; v1(2545,805) v1(2545,990) ; v1(2870,755) 2870,501 U2.1 ; v1(2965,755) 2996,786 R7.1
  Bottom Layer w12: U1.8 1241.88,1240 1267.07,1214.81 1395.19,1214.81 1415,1195 1700,1195 J4.2
  Bottom Layer w30: U2.14 2220.33,755 2495,755 v1(2545,805) v1(2685,805) 2726.68,805 2776.68,755 v1(2870,755) v1(2965,755) ; v1(2545,990) v1(2735,990)
V5: J1.5
V15+: D2.2 EC3.1 M1.4 R8.2 R17.1 | length 2306
  Top Layer w15: R8.2 701.28,956.28 v1(730,985)
  Bottom Layer w8: EC3.1 1011,470 1048,507 1161,507 ; D2.2 1178,490 1161,507 ; M1.4 1852.96,428 1515,428 1505,438 1505,541 1440,606 1211,606 1161,556 1161,507
  Bottom Layer w15: v1(730,985) 660,915 660,740 810,590 870,590 900,560 900,495.87 R17.1
  Bottom Layer w20: R17.1 1006,460 EC3.1
V15-: EC3.2 M1.3 R9.2 R20.1 T1.6 | length 1847.6
  Top Layer w8: T1.6 1230.65,606 1594,606 1695,505 1852,505 1887,540 1887,825 1912,850 M1.3
  Top Layer w15: v1(690,780) 690,824.13 R9.2
  Bottom Layer w10: R20.1 996,540 EC3.2
  Bottom Layer w15: v1(690,780) 845,625 880,625 935.87,569.13 R20.1
  Bottom Layer w20: EC3.2 1030,555 1125.35,650.35 T1.6
VCC: C8.1 D8.2 R15.1 U4.5 | length 1341.5
  Top Layer w20: D8.2 1490,760 1545,705 1590,705 1715,580 C8.1 1790,585 1790,940 1803,953 U4.5 1908,953 1955,1000 R15.1
VCC_ZIG_EN: U6.29
ZIG_CSN: U2.11
ZIG_MISO: U2.7
ZIG_MOSI: U2.6
ZIG_SCK: U2.19
ZIGBEE_RST: U2.5 U6.11 | length 500.7
  Top Layer w8: U6.11 2724.68,669.32 2731,663 2744,663 v1(2744,637) ; v1(2964,561) 3018,615 3018,627.96 U2.5
  Bottom Layer w8: v1(2744,637) 2929,637 2935,631 2935,629.64 2949.64,615 2951,615 2964,602 v1(2964,561)
ZIGBEE_RX: U2.3 U6.30 | length 1024.7
  Top Layer w8: U6.30 2645.94,1131.94 v1(2659,1145)
  Bottom Layer w8: v1(2659,1145) 2805,1145 2992,958 2992,496 3017.52,470.48 U2.3
ZIGBEE_TX: U2.2 U6.31 | length 1177.5
  Top Layer w8: U6.31 2626.26,1105 2627,1105.74 v1(2627,1187) ; v1(3019,509) 3019,430.74 U2.2
  Bottom Layer w8: v1(2627,1187) 2786,1187 3019,954 v1(3019,509)
pads on no net: T1.3 T1.7 T1.8 T1.9 U2.4 U2.8 U2.12 U2.16 U2.20 U6.2 U6.3 U6.4 U6.12 U6.15 U6.16 U6.41 U6.42 Y1.2 Y1.4

## Polygon pours and split planes (outlines as drawn)
GND on Top Layer "Top_GND" (solid, remove dead copper, pour order 0): 575,1275 575,325 50,325 50,50 1345,50 1345,300 2100,300 3050,300 3050,1250 3050,1275
GND on Bottom Layer "Bottom_GND" (solid, remove dead copper, pour order 2): 575,1275 575,325 50,325 50,50 1345,50 1345,300 2100,300 3050,300 3050,1250 3050,1275

## Silkscreen, mask and mechanical layers (free items; w line width, h text height)
Top Overlay:
  text "201701/Ver6" at 2714,1232 h35
  text "观宇能源" at 2169,1204 h80
  text "GUYG" at 2716,1182 h35
  text "CU" at 2173,1142 h40

## Text inside footprints (layer, text, board x,y; h text height)
J4: Top Overlay "1" at 1829,1266 h40 r180
U3: Top Overlay "~" at 408.74,240.94 h60; Top Overlay "~" at 408.74,142.52 h60; Top Overlay "+" at 487.48,170.08 h60; Top Overlay "-" at 487.48,268.5 h60
U5: Top Overlay "-" at 977.72,1003.5 h60; Top Overlay "+" at 977.72,905.08 h60; Top Overlay "~" at 898.98,877.52 h60; Top Overlay "~" at 898.98,975.94 h60